# KiCad board IotKnob.kicad_pcb (continued)
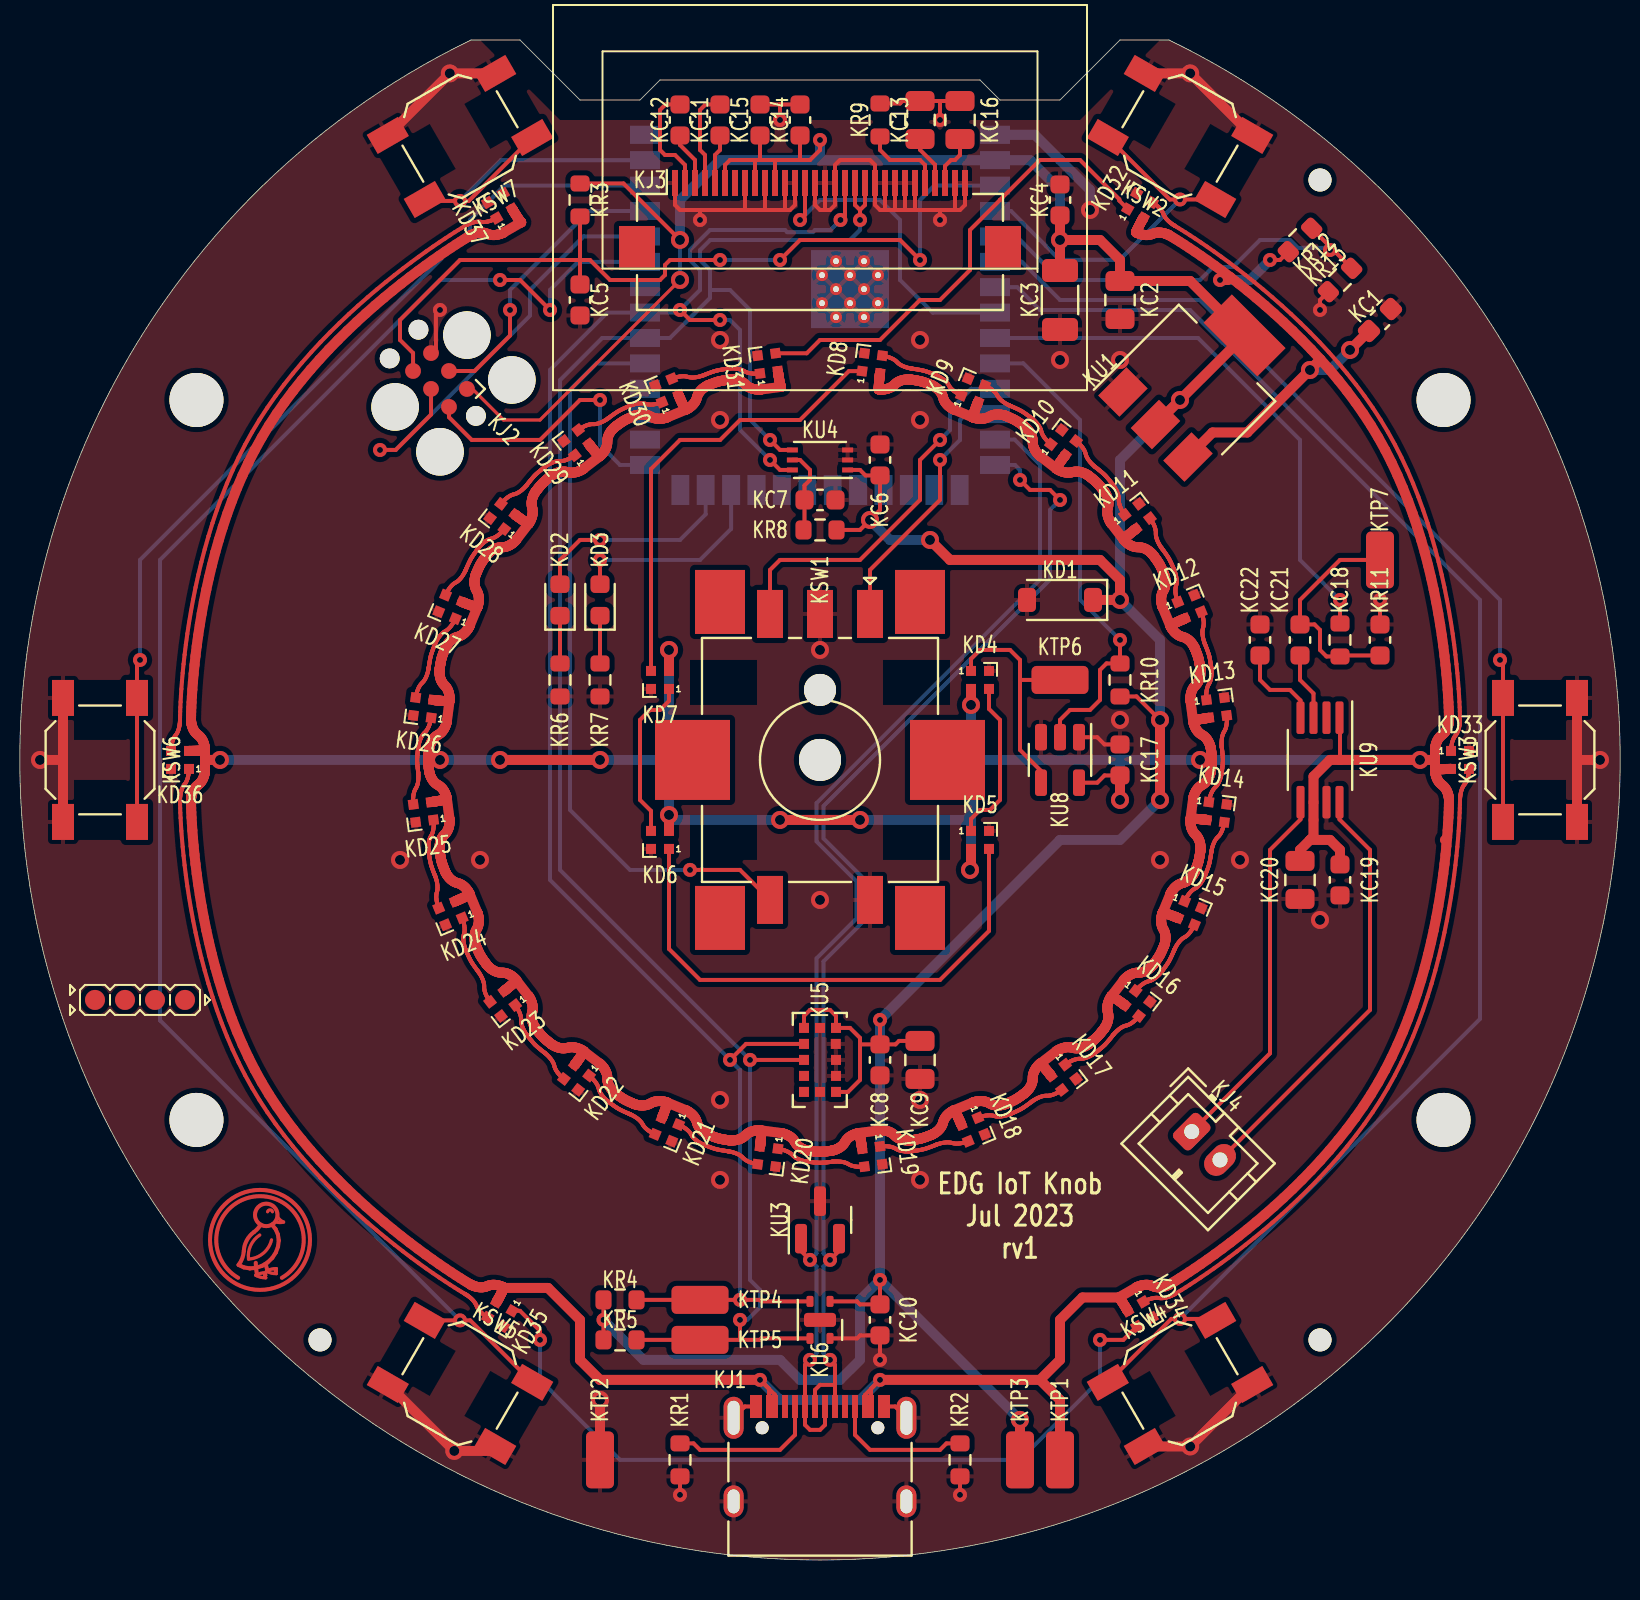
[diagram p0: board, top side]
## Routing (per net, layer and track width the routed paths; a pad name or vN(x,y) marks a point on that pad's centre or on a via; arc(x,y) is an arc through that point) (continued)
23.87,22.3 23.84,22.28 23.82,22.25 23.8,22.23 23.77,22.2 23.75,22.17 23.72,22.14 23.7,22.11 23.68,22.07 23.66,22.04 23.64,22 23.63,21.96 23.62,21.92 23.6,21.88 23.59,21.84 23.58,21.8 23.56,21.76 23.55,21.73 23.53,21.69 23.51,21.66 23.48,21.62 23.46,21.59 23.44,21.56 23.41,21.54 23.39,21.51 23.36,21.49 23.34,21.46 23.31,21.44 23.26,21.4 23.24,21.38 23.19,21.35 23.15,21.32 23.13,21.31 23.11,21.3 23.09,21.29 23.07,21.28 23.05,21.27 23.03,21.26 23.02,21.26 23,21.25 22.97,21.24 22.93,21.23 22.92,21.22 22.88,21.2 22.81,21.18 22.79,21.17 22.76,21.16 22.74,21.15 22.72,21.15 22.69,21.14 22.67,21.13 22.65,21.12 22.62,21.11 22.58,21.1 22.54,21.09 22.52,21.08 22.48,21.07 22.46,21.07 22.44,21.06 22.42,21.06 22.37,21.05 22.34,21.04 22.32,21.04 22.3,21.03 22.27,21.03 22.2,21.02 22.18,21.01 22.15,21.01 22.13,21.01 22.11,21 22.09,21 22.07,21 22.06,21 22.01,20.99 21.98,20.98 21.95,20.98 21.92,20.98 21.9,20.98 21.88,20.98 21.83,20.98 21.81,20.98 21.75,20.98 21.72,20.99 21.69,20.99 21.62,21 21.59,21.01 21.56,21.02 21.52,21.03 21.48,21.04 21.45,21.05 21.41,21.07 21.38,21.09 21.34,21.11 21.31,21.13 21.28,21.15 21.24,21.18 21.21,21.2 21.15,21.26 21.12,21.29 21.09,21.32 21.05,21.34 21.02,21.36 20.99,21.38 20.95,21.4 20.92,21.41 20.88,21.43 20.84,21.44 20.81,21.45 20.78,21.46 20.71,21.47 20.68,21.48 20.64,21.48 20.61,21.48 20.56,21.49 20.53,21.49 20.47,21.49 20.42,21.48 20.39,21.48 19.4,21.35 ; 24.16,22.49 24.17,22.49 24.18,22.47 24.19,22.46 24.21,22.43 24.22,22.4 24.23,22.39 24.24,22.37 24.26,22.34 24.26,22.32 24.28,22.28 24.3,22.26 24.31,22.23 24.32,22.21 24.33,22.19 24.34,22.16 24.35,22.14 24.37,22.11 24.38,22.09 24.39,22.07 24.41,22.02 24.42,22 24.42,21.98 24.43,21.96 24.45,21.92 24.47,21.89 24.48,21.84 24.5,21.82 24.5,21.8 24.51,21.78 KD18.2 ; KD14.2 36.75,37.01 36.72,37.01 36.7,37.02 36.68,37.02 36.63,37.03 36.61,37.03 36.55,37.03 36.52,37.04 36.48,37.04 36.45,37.04 36.4,37.05 36.38,37.05 36.22,37.06 36.17,37.07 36.15,37.07 36.13,37.07 36.1,37.07 36.07,37.07 36.06,37.07 36.03,37.07 36.01,37.07 35.99,37.07 35.98,37.06 35.98,37.06 ; 48.2,39.51 48.21,39.51 48.24,39.52 48.26,39.52 48.27,39.52 48.29,39.53 48.31,39.53 48.32,39.53 48.34,39.53 48.37,39.53 48.39,39.53 48.44,39.54 48.47,39.54 48.49,39.54 48.52,39.54 48.55,39.54 48.73,39.55 48.75,39.55 48.77,39.55 48.79,39.55 48.81,39.55 48.83,39.55 48.85,39.55 48.87,39.56 48.92,39.56 48.94,39.56 KD33.2 ; 48.2,39.51 48.2,40.01 ; -0.44,47.9 -0.41,47.89 -0.37,47.87 -0.34,47.86 -0.32,47.86 -0.29,47.84 -0.27,47.83 -0.25,47.83 -0.21,47.81 -0.18,47.8 -0.16,47.79 -0.14,47.79 -0.07,47.76 -0.04,47.75 -0.02,47.74 0.06,47.72 0.08,47.71 0.15,47.69 0.17,47.68 0.18,47.67 0.23,47.66 0.26,47.65 0.28,47.65 0.3,47.64 0.32,47.64 0.32,47.64 ; KD8.2 20.44,59.3 20.44,59.28 20.44,59.25 20.44,59.24 20.43,59.19 20.43,59.17 20.42,59.1 20.42,59.08 20.42,59.03 20.41,59.01 20.41,58.96 20.41,58.93 20.39,58.77 20.39,58.73 20.39,58.71 20.39,58.69 20.39,58.65 20.39,58.62 20.39,58.61 20.39,58.59 20.39,58.57 20.39,58.54 20.39,58.53 20.42,58.53 20.47,58.53 20.53,58.53 20.56,58.53 20.61,58.53 20.64,58.53 20.68,58.54 20.71,58.54 20.78,58.56 20.81,58.57 20.84,58.58 20.88,58.59 20.92,58.6 20.95,58.62 20.99,58.63 21.02,58.65 21.05,58.67 21.09,58.7 21.12,58.72 21.15,58.75 21.21,58.81 21.24,58.84 21.28,58.86 21.31,58.89 21.34,58.91 21.38,58.93 21.41,58.94 21.45,58.96 21.48,58.97 21.52,58.98 21.56,58.99 21.59,59 21.62,59.01 21.69,59.02 21.72,59.03 21.75,59.03 21.81,59.03 21.83,59.03 21.88,59.03 21.9,59.03 21.92,59.03 21.96,59.03 21.97,59.03 22.04,59.02 22.06,59.02 22.07,59.01 22.09,59.01 22.11,59.01 22.13,59.01 22.15,59 22.18,59 22.2,59 22.27,58.98 22.3,58.98 22.32,58.97 22.34,58.97 22.37,58.97 22.42,58.96 22.44,58.95 22.46,58.95 22.52,58.93 22.56,58.92 22.58,58.91 22.62,58.9 22.65,58.89 22.67,58.88 22.69,58.88 22.72,58.87 22.74,58.86 22.76,58.85 22.79,58.84 22.81,58.83 22.85,58.82 22.92,58.79 22.93,58.79 22.98,58.77 23.01,58.76 23.02,58.75 23.04,58.74 23.06,58.74 23.07,58.73 23.09,58.72 23.11,58.71 23.13,58.7 23.15,58.69 23.19,58.66 23.24,58.63 23.26,58.61 23.31,58.57 23.34,58.55 23.36,58.53 23.39,58.5 23.41,58.48 23.44,58.45 23.46,58.42 23.48,58.39 23.51,58.36 23.53,58.32 23.55,58.29 23.56,58.25 23.58,58.21 23.59,58.17 23.6,58.13 23.62,58.09 23.63,58.05 23.64,58.01 23.66,57.97 23.68,57.94 23.7,57.91 23.72,57.87 23.75,57.84 23.77,57.81 23.8,57.79 23.82,57.76 23.84,57.73 23.87,57.71 23.9,57.69 23.92,57.67 23.95,57.65 23.97,57.63 24.02,57.6 24.06,57.57 24.08,57.56 24.1,57.55 24.12,57.54 24.14,57.53 24.16,57.52 24.16,57.52 25.09,57.14 ; -2.14,40.01 v1(-1.55,40.01) ; 34.96,46.72 34.97,46.73 34.99,46.74 35,46.75 35.03,46.77 35.05,46.78 35.07,46.79 35.08,46.79 35.12,46.81 35.13,46.82 35.18,46.84 35.2,46.85 35.22,46.86 35.25,46.88 35.27,46.89 35.3,46.9 35.32,46.91 35.34,46.92 35.37,46.93 35.39,46.94 35.43,46.96 35.45,46.97 35.47,46.98 35.49,46.99 35.53,47.01 35.57,47.02 35.61,47.04 35.64,47.05 35.66,47.06 35.68,47.07 KD12.2 ; 34.96,46.72 34.97,46.7 34.99,46.67 35,46.66 35.01,46.64 35.02,46.62 35.04,46.58 35.07,46.53 35.09,46.5 35.11,46.48 35.13,46.45 35.15,46.43 35.18,46.4 35.2,46.38 35.23,46.35 35.26,46.33 35.29,46.3 35.32,46.28 35.35,46.26 35.38,46.24 35.42,46.22 35.45,46.2 35.49,46.19 35.53,46.17 35.57,46.16 35.62,46.15 35.66,46.14 35.69,46.12 35.73,46.1 35.77,46.08 35.8,46.06 35.83,46.04 35.86,46.02 35.89,46 35.92,45.97 35.95,45.95 35.97,45.92 36,45.89 36.02,45.87 36.06,45.82 36.08,45.79 36.11,45.75 36.13,45.7 36.14,45.68 36.15,45.67 36.16,45.65 36.17,45.62 36.19,45.6 36.19,45.59 36.2,45.58 36.2,45.55 36.22,45.52 36.23,45.49 36.24,45.47 36.25,45.43 36.28,45.37 36.29,45.34 36.29,45.32 36.3,45.3 36.31,45.27 36.32,45.25 36.33,45.23 36.34,45.2 36.34,45.18 36.36,45.14 36.37,45.1 36.38,45.08 36.39,45.04 36.39,45.02 36.39,44.99 36.4,44.97 36.41,44.92 36.41,44.9 36.42,44.88 36.42,44.85 36.43,44.83 36.44,44.76 36.44,44.73 36.45,44.71 36.45,44.69 36.45,44.67 36.46,44.65 36.46,44.63 36.46,44.61 36.47,44.57 36.47,44.53 36.48,44.5 36.48,44.47 36.48,44.46 36.48,44.44 36.48,44.39 36.48,44.36 36.47,44.31 36.47,44.28 36.47,44.25 36.45,44.18 36.45,44.15 36.44,44.11 36.43,44.08 36.42,44.04 36.4,44.01 36.39,43.97 36.37,43.94 36.35,43.9 36.33,43.87 36.31,43.83 36.28,43.8 36.25,43.77 36.19,43.71 36.17,43.68 36.14,43.64 36.12,43.61 36.1,43.58 36.08,43.54 36.06,43.51 36.05,43.47 36.03,43.44 36.02,43.4 36.01,43.37 36,43.33 35.99,43.26 35.98,43.23 35.98,43.2 35.97,43.17 35.97,43.11 35.97,43.09 35.97,43.02 35.97,42.97 35.97,42.95 36.11,41.96 ; 34.96,46.72 34.58,47.64 34.58,47.66 34.57,47.67 34.57,47.68 34.56,47.69 34.56,47.71 34.55,47.73 34.55,47.75 34.53,47.8 34.53,47.83 34.52,47.89 34.51,47.95 34.51,48.02 34.51,48.06 34.51,48.09 34.51,48.13 34.51,48.17 34.52,48.2 34.53,48.24 34.54,48.28 34.55,48.32 34.56,48.36 34.58,48.4 34.6,48.43 34.64,48.51 34.66,48.55 34.67,48.58 34.69,48.62 34.7,48.66 34.71,48.7 34.72,48.74 34.72,48.77 34.73,48.81 34.73,48.85 34.73,48.92 34.73,48.96 34.72,49.02 34.72,49.05 34.71,49.08 34.71,49.11 34.7,49.14 34.7,49.17 34.68,49.21 34.67,49.25 34.66,49.27 34.66,49.29 34.65,49.31 34.63,49.36 34.61,49.39 34.61,49.41 34.6,49.43 34.59,49.45 34.58,49.47 34.57,49.49 34.56,49.51 34.54,49.55 34.53,49.57 34.51,49.62 34.5,49.64 34.48,49.69 34.47,49.71 34.46,49.73 34.45,49.75 34.44,49.77 34.43,49.79 34.41,49.82 34.4,49.84 34.39,49.86 34.37,49.88 34.36,49.9 34.35,49.92 34.31,49.98 34.29,50 34.25,50.06 34.22,50.09 34.21,50.11 34.18,50.15 34.17,50.16 34.15,50.19 34.13,50.22 34.12,50.23 34.12,50.24 34.08,50.28 34.07,50.29 34.06,50.3 34.05,50.31 34,50.36 33.98,50.38 33.94,50.42 33.92,50.44 33.89,50.46 33.87,50.47 33.84,50.49 33.81,50.51 33.78,50.53 33.75,50.55 33.71,50.56 33.68,50.58 33.64,50.59 33.61,50.61 33.57,50.62 33.53,50.63 33.49,50.63 33.45,50.64 33.41,50.64 33.36,50.64 33.32,50.64 33.28,50.65 33.24,50.65 33.2,50.66 33.16,50.67 33.12,50.68 33.09,50.69 33.05,50.7 33.01,50.72 32.98,50.74 32.95,50.75 32.92,50.77 32.89,50.79 32.86,50.81 32.84,50.83 32.81,50.85 32.79,50.87 32.74,50.9 32.72,50.92 32.69,50.96 32.64,51.01 32.63,51.02 32.63,51.02 ; 15.34,59.44 15.35,59.42 15.35,59.41 15.36,59.36 15.36,59.34 15.36,59.32 15.37,59.26 15.37,59.24 15.38,59.22 15.38,59.2 15.39,59.13 15.4,59.1 15.4,59.08 15.41,59.05 15.41,59.03 15.42,59 15.43,58.92 15.44,58.87 15.45,58.85 15.45,58.81 15.46,58.78 15.47,58.74 15.48,58.71 15.49,58.68 15.5,58.66 14.51,58.53 14.45,58.53 14.44,58.53 14.37,58.53 14.34,58.53 14.29,58.53 14.26,58.53 14.22,58.54 14.19,58.54 14.12,58.56 14.09,58.57 14.06,58.58 14.02,58.59 13.98,58.6 13.95,58.62 13.91,58.63 13.88,58.65 13.85,58.67 13.81,58.7 13.78,58.72 13.75,58.75 13.69,58.81 13.66,58.84 13.62,58.86 13.59,58.89 13.56,58.91 13.52,58.93 13.49,58.94 13.45,58.96 13.42,58.97 13.38,58.98 13.34,58.99 13.31,59 13.28,59.01 13.21,59.02 13.18,59.03 13.15,59.03 13.09,59.03 13.07,59.03 13.02,59.03 13,59.03 12.98,59.03 12.94,59.03 12.93,59.03 12.86,59.02 12.84,59.02 12.83,59.01 12.81,59.01 12.79,59.01 12.77,59.01 12.75,59 12.72,59 12.7,59 12.63,58.98 12.61,58.98 12.58,58.97 12.56,58.97 12.53,58.97 12.48,58.96 12.46,58.95 12.44,58.95 12.38,58.93 12.34,58.92 12.32,58.91 12.28,58.9 12.25,58.89 12.23,58.88 12.21,58.88 12.18,58.87 12.16,58.86 12.14,58.85 12.11,58.84 12.09,58.83 12.05,58.82 11.98,58.79 11.97,58.79 11.92,58.77 11.89,58.76 11.88,58.75 11.86,58.74 11.84,58.74 11.83,58.73 11.81,58.72 11.79,58.71 11.77,58.7 11.75,58.69 11.71,58.66 11.66,58.63 11.64,58.61 11.59,58.57 11.56,58.55 11.54,58.53 11.51,58.5 11.49,58.48 11.46,58.45 11.44,58.42 11.42,58.39 11.39,58.36 11.37,58.32 11.35,58.29 11.34,58.25 11.32,58.21 11.31,58.17 11.3,58.13 11.28,58.09 11.27,58.05 11.26,58.01 11.24,57.97 11.22,57.94 11.2,57.91 11.18,57.87 11.15,57.84 11.13,57.81 11.11,57.79 11.08,57.76 11.06,57.73 11.03,57.71 11,57.69 10.98,57.67 10.95,57.65 10.93,57.63 10.88,57.6 10.84,57.57 10.82,57.56 10.8,57.55 10.78,57.54 10.76,57.53 10.74,57.52 10.74,57.52 ; 34.58,32.37 34.58,32.36 34.57,32.35 34.57,32.33 34.56,32.32 34.56,32.3 34.55,32.28 34.55,32.26 34.53,32.21 34.53,32.18 34.52,32.13 34.51,32.06 34.51,31.99 34.51,31.96 34.51,31.92 34.51,31.88 34.51,31.85 34.52,31.81 34.53,31.77 34.54,31.73 34.55,31.69 34.56,31.66 34.58,31.62 34.6,31.58 34.64,31.51 34.66,31.47 34.67,31.43 34.69,31.39 34.7,31.35 34.71,31.31 34.72,31.28 34.72,31.24 34.73,31.2 34.73,31.16 34.73,31.09 34.73,31.06 34.72,30.99 34.72,30.96 34.71,30.93 34.71,30.9 34.7,30.87 34.7,30.85 34.68,30.8 34.67,30.77 34.66,30.74 34.66,30.72 34.65,30.7 34.63,30.65 34.61,30.62 34.61,30.6 34.6,30.59 34.59,30.57 34.58,30.55 34.57,30.53 34.56,30.51 34.54,30.46 34.53,30.44 34.51,30.39 34.5,30.37 34.48,30.33 34.47,30.31 34.46,30.29 34.45,30.27 34.44,30.25 34.43,30.23 34.41,30.19 34.4,30.18 34.39,30.16 34.37,30.14 34.36,30.12 34.35,30.1 34.31,30.04 34.29,30.02 34.25,29.96 34.22,29.92 34.21,29.9 34.18,29.87 34.17,29.85 34.15,29.82 34.13,29.79 34.12,29.78 34.12,29.77 34.08,29.73 34.07,29.72 34.06,29.71 34.05,29.7 34,29.65 33.98,29.63 33.94,29.6 33.92,29.58 33.89,29.56 33.87,29.54 33.84,29.52 33.81,29.5 33.78,29.48 33.75,29.47 33.71,29.45 33.68,29.43 33.64,29.42 33.61,29.41 33.57,29.4 33.53,29.39 33.49,29.38 33.45,29.37 33.41,29.37 33.36,29.37 33.32,29.37 33.28,29.37 33.24,29.36 33.2,29.36 33.16,29.35 33.12,29.34 33.09,29.32 33.05,29.31 33.01,29.29 32.98,29.28 32.95,29.26 32.92,29.24 32.89,29.22 32.86,29.2 32.84,29.18 32.81,29.16 32.79,29.15 32.74,29.11 32.72,29.09 32.69,29.06 32.64,29.01 32.63,28.99 32.63,28.99 32.02,28.2 ; 34.58,32.37 34.96,33.29 34.97,33.32 34.99,33.34 35,33.36 35.01,33.38 35.02,33.39 35.04,33.44 35.07,33.48 35.09,33.51 35.11,33.53 35.13,33.56 35.15,33.59 35.18,33.61 35.2,33.64 35.23,33.66 35.26,33.69 35.29,33.71 35.32,33.73 35.35,33.75 35.38,33.78 35.42,33.79 35.45,33.81 35.49,33.83 35.53,33.84 35.57,33.85 35.62,33.86 35.66,33.88 35.69,33.89 35.73,33.91 35.77,33.93 35.8,33.95 35.83,33.97 35.86,33.99 35.89,34.02 35.92,34.04 35.95,34.07 35.97,34.09 36,34.12 36.02,34.14 36.06,34.19 36.08,34.22 36.11,34.27 36.13,34.31 36.14,34.33 36.15,34.35 36.16,34.36 36.17,34.39 36.19,34.41 36.19,34.43 36.2,34.44 36.2,34.46 36.22,34.49 36.23,34.52 36.24,34.54 36.25,34.58 36.28,34.65 36.29,34.67 36.29,34.69 36.3,34.72 36.31,34.74 36.32,34.76 36.33,34.79 36.34,34.81 36.34,34.83 36.36,34.88 36.37,34.92 36.38,34.94 36.39,34.98 36.39,35 36.39,35.02 36.4,35.04 36.41,35.09 36.41,35.11 36.42,35.14 36.42,35.16 36.43,35.19 36.44,35.26 36.44,35.28 36.45,35.3 36.45,35.33 36.45,35.35 36.46,35.37 36.46,35.38 36.46,35.4 36.47,35.45 36.47,35.48 36.48,35.51 36.48,35.54 36.48,35.56 36.48,35.58 36.48,35.62 36.48,35.65 36.47,35.71 36.47,35.74 36.47,35.77 36.45,35.83 36.45,35.87 36.44,35.9 36.43,35.94 36.42,35.97 36.4,36.01 36.39,36.04 36.37,36.08 36.35,36.11 36.33,36.15 36.31,36.18 36.28,36.21 36.25,36.24 36.19,36.3 36.17,36.34 36.14,36.37 36.12,36.4 36.1,36.44 36.08,36.47 36.06,36.51 36.05,36.54 36.03,36.58 36.02,36.61 36.01,36.65 36,36.68 35.99,36.75 35.98,36.78 35.98,36.81 35.97,36.84 35.97,36.9 35.97,36.93 35.97,36.99 35.97,37.04 35.97,37.06 ; 34.58,32.37 34.6,32.37 34.62,32.37 34.64,32.36 34.7,32.34 34.72,32.34 34.73,32.33 34.75,32.33 34.82,32.31 34.84,32.3 34.92,32.27 34.94,32.26 35.02,32.24 35.04,32.23 35.06,32.22 35.08,32.21 35.13,32.19 35.15,32.19 35.17,32.18 35.19,32.17 35.22,32.16 35.24,32.15 35.27,32.14 35.3,32.12 35.33,32.11 35.34,32.11 ; 2.27,28.99 2.26,28.97 2.25,28.95 2.23,28.94 2.22,28.93 2.21,28.92 2.19,28.9 2.18,28.89 2.16,28.87 2.15,28.86 2.13,28.85 2.12,28.83 2.1,28.82 2.06,28.78 2.04,28.76 2.02,28.75 2,28.73 1.98,28.71 1.9,28.65 1.88,28.63 1.86,28.62 1.84,28.6 1.8,28.56 1.77,28.54 1.75,28.53 1.74,28.52 1.71,28.49 1.69,28.48 KD23.2 ; 2.27,28.99 2.88,28.2 2.9,28.16 2.92,28.14 2.93,28.12 2.95,28.08 2.97,28.06 2.98,28.03 2.99,28 3,27.98 3.01,27.95 3.03,27.92 3.04,27.88 3.05,27.85 3.07,27.78 3.07,27.75 3.08,27.71 3.08,27.67 3.09,27.63 3.09,27.59 3.09,27.55 3.08,27.51 3.08,27.47 3.07,27.43 3.05,27.35 3.04,27.3 3.03,27.26 3.03,27.22 3.03,27.18 3.03,27.14 3.03,27.11 3.04,27.07 3.04,27.03 3.05,26.99 3.06,26.96 3.07,26.92 3.08,26.89 3.09,26.86 3.1,26.83 3.11,26.8 3.13,26.77 3.14,26.74 3.15,26.72 3.16,26.7 3.19,26.66 3.21,26.62 3.23,26.59 3.26,26.55 3.27,26.54 3.31,26.48 3.34,26.45 3.35,26.44 3.39,26.38 3.41,26.36 3.47,26.29 3.52,26.23 3.54,26.21 3.55,26.2 3.6,26.15 3.64,26.11 3.66,26.09 3.68,26.08 3.73,26.03 3.81,25.97 3.83,25.95 3.88,25.91 3.9,25.89 3.94,25.86 3.97,25.83 3.98,25.83 4.01,25.8 4.03,25.78 4.05,25.77 4.07,25.76 4.1,25.74 4.14,25.72 4.16,25.71 4.19,25.7 4.21,25.68 4.24,25.67 4.27,25.66 4.3,25.65 4.33,25.63 4.37,25.62 4.4,25.61 4.44,25.61 4.47,25.6 4.51,25.59 4.55,25.59 4.59,25.59 4.63,25.59 4.67,25.59 4.71,25.59 4.75,25.6 4.79,25.6 4.87,25.63 4.91,25.63 4.95,25.64 5,25.64 5.03,25.64 5.08,25.64 5.11,25.64 5.15,25.64 5.19,25.63 5.23,25.62 5.3,25.6 5.33,25.59 5.36,25.58 5.39,25.57 5.42,25.56 5.45,25.55 5.47,25.53 5.5,25.52 5.52,25.51 5.56,25.49 5.58,25.48 5.61,25.46 5.64,25.44 ; v1(1.45,40.01) v1(6.45,40.01) ; 10.74,57.52 10.73,57.53 10.72,57.54 10.71,57.55 10.69,57.59 10.68,57.61 10.67,57.62 10.66,57.64 10.64,57.67 10.64,57.69 10.62,57.73 10.6,57.76 10.59,57.78 10.58,57.8 10.57,57.83 10.56,57.85 10.55,57.88 10.53,57.9 10.53,57.92 10.51,57.94 10.49,57.99 10.48,58.01 10.48,58.03 10.47,58.05 10.45,58.09 10.43,58.12 10.42,58.17 10.4,58.19 10.4,58.21 10.39,58.23 KD30.2 ; 10.74,57.52 9.81,57.14 9.8,57.13 9.79,57.13 9.78,57.12 9.76,57.12 9.75,57.11 9.73,57.11 9.7,57.1 9.66,57.09 9.63,57.09 9.57,57.08 9.51,57.07 9.44,57.06 9.4,57.06 9.37,57.06 9.33,57.07 9.29,57.07 9.25,57.08 9.21,57.08 9.17,57.09 9.14,57.1 9.1,57.12 9.06,57.13 9.02,57.15 8.95,57.2 8.91,57.21 8.87,57.23 8.84,57.24 8.8,57.26 8.76,57.26 8.72,57.27 8.68,57.28 8.64,57.28 8.61,57.28 8.53,57.28 8.5,57.28 8.43,57.28 8.4,57.27 8.37,57.27 8.34,57.26 8.32,57.26 8.29,57.25 8.25,57.24 8.21,57.23 8.18,57.22 8.17,57.21 8.14,57.2 8.1,57.18 8.07,57.17 8.05,57.16 8.03,57.16 8.01,57.15 7.99,57.14 7.97,57.13 7.95,57.12 7.91,57.1 7.88,57.09 7.84,57.07 7.81,57.06 7.77,57.04 7.75,57.03 7.73,57.01 7.71,57 7.69,56.99 7.67,56.98 7.64,56.96 7.62,56.95 7.6,56.94 7.58,56.93 7.56,56.92 7.54,56.9 7.48,56.86 7.46,56.85 7.4,56.81 7.36,56.78 7.34,56.76 7.31,56.74 7.29,56.73 7.26,56.71 7.24,56.69 7.23,56.68 7.22,56.67 7.18,56.64 7.17,56.63 7.16,56.62 7.14,56.61 7.09,56.56 7.08,56.54 7.04,56.5 7.02,56.48 7,56.45 6.98,56.42 6.96,56.4 6.94,56.37 6.93,56.34 6.91,56.3 6.89,56.27 6.88,56.24 6.86,56.2 6.85,56.16 6.84,56.13 6.83,56.09 6.82,56.05 6.82,56.01 6.81,55.96 6.81,55.92 6.81,55.88 6.81,55.84 6.81,55.79 6.8,55.75 6.79,55.72 6.78,55.68 6.77,55.64 6.75,55.61 6.74,55.57 6.72,55.54 6.7,55.51 6.69,55.48 6.67,55.45 6.65,55.42 6.63,55.39 6.61,55.37 6.59,55.34 6.55,55.3 6.53,55.28 6.5,55.25 6.45,55.2 6.43,55.19 6.43,55.19 ; 14.51,21.48 14.51,21.48 14.51,21.47 14.51,21.45 14.51,21.43 14.51,21.41 14.51,21.4 14.51,21.39 14.51,21.36 14.51,21.33 14.51,21.31 14.51,21.28 14.51,21.24 14.5,21.08 14.49,21.05 14.49,21 14.48,20.98 14.48,20.93 14.48,20.91 14.47,20.85 14.47,20.83 14.46,20.78 14.46,20.76 14.46,20.73 14.45,20.7 KD20.2 ; 14.51,21.48 15.5,21.35 15.54,21.35 15.55,21.34 15.59,21.33 15.61,21.33 15.63,21.32 15.66,21.31 15.71,21.29 15.77,21.27 15.8,21.26 15.83,21.24 15.86,21.23 15.89,21.21 15.92,21.19 15.95,21.17 15.98,21.15 16.02,21.12 16.04,21.1 16.07,21.07 16.1,21.04 16.13,21.01 16.15,20.98 16.17,20.94 16.2,20.91 16.22,20.87 16.24,20.83 16.27,20.8 16.29,20.77 16.32,20.74 16.35,20.71 16.38,20.69 16.44,20.64 16.47,20.62 16.5,20.6 16.53,20.59 16.56,20.57 16.59,20.56 16.62,20.54 16.65,20.53 16.71,20.51 16.76,20.49 16.78,20.49 16.8,20.48 16.84,20.47 16.87,20.47 16.88,20.46 16.89,20.46 16.91,20.46 16.93,20.46 16.95,20.46 16.98,20.45 17.03,20.45 17.05,20.44 17.1,20.44 17.12,20.44 17.17,20.43 17.19,20.43 17.29,20.42 17.32,20.42 17.34,20.42 17.41,20.41 17.49,20.41 17.56,20.42 17.58,20.42 17.61,20.42 17.71,20.43 17.73,20.43 17.78,20.44 17.8,20.44 17.85,20.44 17.87,20.45 17.92,20.45 17.95,20.46 17.97,20.46 18,20.46 18.01,20.46 18.02,20.46 18.03,20.47 18.06,20.47 18.1,20.48 18.12,20.49 18.14,20.49 18.19,20.51 18.25,20.53 18.28,20.54 18.31,20.56 18.34,20.57 18.37,20.59 18.4,20.6 18.43,20.62 18.46,20.64 18.52,20.69 18.55,20.71 18.58,20.74 18.61,20.77 18.63,20.8 18.66,20.83 18.68,20.87 18.7,20.91 18.73,20.94 18.75,20.98 18.77,21.01 18.8,21.04 18.83,21.07 18.86,21.1 18.89,21.12 18.92,21.15 18.95,21.17 18.98,21.19 19.01,21.21 19.04,21.23 19.07,21.24 19.1,21.26 19.13,21.27 19.19,21.29 19.24,21.31 19.27,21.32 19.29,21.33 19.31,21.33 19.35,21.34 19.36,21.35 19.4,21.35 19.4,21.35 ; 25.09,57.14 25.09,57.16 25.09,57.17 25.1,57.2 25.11,57.26 25.12,57.27 25.12,57.29 25.13,57.31 25.15,57.37 25.16,57.4 25.19,57.47 25.19,57.5 25.22,57.57 25.23,57.59 25.24,57.62 25.25,57.64 25.26,57.68 25.27,57.7 25.28,57.72 25.29,57.74 25.3,57.78 25.31,57.79 25.32,57.82 25.33,57.86 25.34,57.88 25.35,57.9 ; 25.09,57.14 25.1,57.13 25.11,57.13 25.12,57.12 25.14,57.12 25.16,57.11 25.17,57.11 25.2,57.1 25.25,57.09 25.27,57.09 25.33,57.08 25.39,57.07 25.46,57.06 25.5,57.06 25.53,57.06 25.57,57.07 25.61,57.07 25.65,57.08 25.69,57.08 25.73,57.09 25.76,57.1 25.8,57.12 25.84,57.13 25.88,57.15 25.95,57.2 25.99,57.21 26.03,57.23 26.06,57.24 26.1,57.26 26.14,57.26 26.18,57.27 26.22,57.28 26.26,57.28 26.29,57.28 26.37,57.28 26.4,57.28 26.47,57.28 26.5,57.27 26.53,57.27 26.56,57.26 26.58,57.26 26.61,57.25 26.65,57.24 26.69,57.23 26.72,57.22 26.73,57.21 26.76,57.2 26.8,57.18 26.83,57.17 26.85,57.16 26.87,57.16 26.89,57.15 26.91,57.14 26.93,57.13 26.95,57.12 27,57.1 27.02,57.09 27.06,57.07 27.09,57.06 27.13,57.04 27.15,57.03 27.17,57.01 27.19,57 27.21,56.99 27.23,56.98 27.26,56.96 27.28,56.95 27.3,56.94 27.32,56.93 27.34,56.92 27.36,56.9 27.42,56.86 27.44,56.85 27.5,56.81 27.54,56.78 27.56,56.76 27.59,56.74 27.61,56.73 27.64,56.71 27.66,56.69 27.67,56.68 27.68,56.67 27.72,56.64 27.73,56.63 27.74,56.62 27.76,56.61 27.81,56.56 27.82,56.54 27.86,56.5 27.88,56.48 27.9,56.45 27.92,56.42 27.94,56.4 27.96,56.37 27.97,56.34 27.99,56.3 28.01,56.27 28.02,56.24 28.04,56.2 28.05,56.16 28.06,56.13 28.07,56.09 28.08,56.05 28.08,56.01 28.09,55.96 28.09,55.92 28.09,55.88 28.09,55.84 28.09,55.79 28.1,55.75 28.11,55.72 28.12,55.68 28.13,55.64 28.15,55.61 28.16,55.57 28.18,55.54 28.2,55.51 28.22,55.48 28.23,55.45 28.25,55.42 28.27,55.39 28.29,55.37 28.31,55.34 28.35,55.3 28.37,55.28 28.4,55.25 28.45,55.2 28.47,55.19 28.47,55.19 29.26,54.58 ; 35.97,37.06 36.11,38.05 36.11,38.09 36.12,38.11 36.12,38.14 36.13,38.17 36.14,38.19 36.14,38.21 36.16,38.27 36.19,38.33 36.2,38.36 36.21,38.39 36.23,38.42 36.25,38.45 36.27,38.48 36.29,38.51 36.31,38.54 36.33,38.57 36.36,38.6 36.39,38.63 36.41,38.66 36.45,38.68 36.48,38.71 36.51,38.73 36.55,38.75 36.59,38.77 36.62,38.8 36.66,38.82 36.69,38.85 36.72,38.88 36.74,38.9 36.77,38.93 36.81,38.99 36.83,39.03 36.85,39.06 36.87,39.09 36.89,39.12 36.9,39.15 36.92,39.18 36.93,39.21 36.95,39.26 36.96,39.32 36.97,39.34 36.98,39.36 36.98,39.4 36.99,39.43 36.99,39.44 36.99,39.45 37,39.47 37,39.49 37,39.5 37.01,39.53 37.01,39.59 37.01,39.61 37.02,39.66 37.02,39.68 37.03,39.73 37.03,39.75 37.04,39.85 37.04,39.87 37.04,39.9 37.04,39.97 37.04,40.03 ; 6.43,55.19 6.41,55.2 6.4,55.21 6.39,55.22 6.37,55.24 6.36,55.25 6.34,55.27 6.33,55.28 6.32,55.29 6.31,55.31 6.29,55.32 6.28,55.34 6.26,55.36 6.23,55.4 6.21,55.42 6.19,55.44 6.17,55.46 6.16,55.48 6.09,55.56 6.08,55.58 6.06,55.59 6.05,55.61 6.01,55.66 5.98,55.69 5.97,55.7 5.96,55.72 5.94,55.75 5.92,55.77 KD29.2 ; 6.43,55.19 5.64,54.58 5.61,54.56 5.58,54.54 5.56,54.53 5.52,54.5 5.5,54.49 5.47,54.48 5.45,54.47 5.42,54.45 5.39,54.44 5.36,54.43 5.33,54.42 5.3,54.41 5.23,54.39 5.19,54.38 5.15,54.38 5.11,54.37 5.08,54.37 5.03,54.37 5,54.37 4.95,54.37 4.91,54.38 4.87,54.39 4.79,54.41 4.75,54.42 4.71,54.42 4.67,54.43 4.63,54.43 4.59,54.43 4.55,54.42 4.51,54.42 4.47,54.41 4.44,54.41 4.4,54.4 4.37,54.39 4.33,54.38 4.3,54.37 4.27,54.36 4.24,54.34 4.21,54.33 4.19,54.32 4.16,54.31 4.14,54.29 4.1,54.27 4.07,54.25 4.03,54.23 3.99,54.2 3.98,54.19 3.93,54.15 3.9,54.12 3.88,54.11 3.83,54.06 3.81,54.05 3.73,53.98 3.68,53.93 3.66,53.92 3.64,53.9 3.6,53.86 3.55,53.81 3.54,53.8 3.52,53.78 3.47,53.73 3.41,53.65 3.39,53.63 3.35,53.58 3.34,53.56 3.3,53.51 3.28,53.49 3.27,53.48 3.25,53.45 3.23,53.42 3.22,53.4 3.21,53.39 3.19,53.36 3.16,53.32 3.15,53.29 3.14,53.27 3.13,53.24 3.11,53.21 3.1,53.19 3.09,53.15 3.08,53.12 3.07,53.09 3.06,53.06 3.05,53.02 3.04,52.98 3.04,52.95 3.03,52.91 3.03,52.87 3.03,52.83 3.03,52.79 3.03,52.75 3.04,52.71 3.05,52.67 3.07,52.58 3.08,52.54 3.08,52.5 3.09,52.46 3.09,52.42 3.09,52.38 3.08,52.34 3.08,52.31 3.07,52.27 3.07,52.23 3.05,52.16 3.04,52.13 3.03,52.1 3.01,52.07 3,52.04 2.99,52.01 2.98,51.98 2.97,51.96 2.95,51.93 2.93,51.89 2.92,51.88 2.9,51.85 2.88,51.82 ; 1.64,13.6 1.63,13.58 1.62,13.56 1.61,13.54 1.61,13.52 1.6,13.51 1.59,13.5 1.59,13.48 1.58,13.46 1.56,13.42 1.55,13.4 1.54,13.38 1.5,13.31 1.45,13.21 1.44,13.19 1.43,13.17 1.42,13.15 1.41,13.13 1.4,13.11 1.39,13.09 1.38,13.07 1.36,13.04 1.34,13 1.32,12.98 1.31,12.94 1.3,12.93 1.29,12.91 ; 1.64,13.6 3.85,13.6 5.45,12.01 5.45,10.01 6.45,9.01 v2(14.45,9.01) ; v1(9.9,45.51) KD7.2 ; 5.64,25.43 5.64,25.42 5.62,25.39 5.61,25.37 5.6,25.36 5.59,25.34 5.57,25.31 5.56,25.3 5.55,25.28 5.54,25.26 5.53,25.24 5.52,25.22 5.44,25.11 5.41,25.07 5.4,25.05 5.37,25.01 5.34,24.97 5.33,24.95 5.29,24.9 5.28,24.89 5.26,24.86 5.25,24.85 5.24,24.83 5.23,24.82 5.22,24.8 5.21,24.79 KD22.2 ; KTP1.1 29.45,8.01 28.45,9.01 ; KC1.1 v1(43.95,60.51) ; 36.11,41.96 36.11,41.92 36.12,41.91 36.12,41.87 36.13,41.85 36.14,41.82 36.14,41.8 36.16,41.74 36.19,41.69 36.2,41.66 36.21,41.63 36.23,41.6 36.25,41.56 36.27,41.53 36.29,41.5 36.31,41.47 36.33,41.44 36.36,41.41 36.39,41.38 36.41,41.36 36.45,41.33 36.48,41.31 36.51,41.28 36.55,41.26 36.59,41.24 36.62,41.22 36.66,41.19 36.69,41.16 36.72,41.14 36.74,41.11 36.77,41.08 36.81,41.02 36.83,40.99 36.85,40.96 36.87,40.93 36.89,40.89 36.9,40.86 36.92,40.83 36.93,40.8 36.95,40.75 36.96,40.7 36.97,40.67 36.98,40.65 36.98,40.62 36.99,40.59 36.99,40.58 36.99,40.56 37,40.54 37,40.52 37,40.51 37.01,40.48 37.01,40.42 37.01,40.4 37.02,40.36 37.02,40.33 37.03,40.29 37.03,40.26 37.04,40.16 37.04,40.14 37.04,40.12 37.04,40.05 37.04,40.03 ; 36.11,41.96 36.12,41.97 36.14,41.97 36.18,41.99 36.21,41.99 36.24,42 36.27,42.01 36.3,42.01 36.32,42.02 36.37,42.03 36.45,42.04 36.47,42.05 36.5,42.05 36.52,42.05 36.55,42.06 36.62,42.07 36.64,42.08 36.67,42.08 36.69,42.08 36.75,42.09 36.77,42.09 36.78,42.1 36.8,42.1 36.84,42.11 36.85,42.11 36.88,42.11 36.89,42.11 ; 28.45,9.01 v2(20.45,9.01) ; 32.02,28.2 32.03,28.19 32.07,28.18 32.09,28.17 32.09,28.16 32.12,28.15 32.14,28.13 32.16,28.12 32.18,28.11 32.19,28.1 32.21,28.09 32.23,28.07 32.34,28 32.38,27.97 32.41,27.95 32.45,27.93 32.48,27.9 32.5,27.88 32.55,27.85 32.57,27.84 32.6,27.81 32.61,27.8 32.62,27.8 32.64,27.79 32.65,27.77 32.66,27.77 KD16.2 ; 32.02,28.2 32,28.16 31.98,28.14 31.97,28.12 31.95,28.08 31.94,28.06 31.92,28.03 31.91,28 31.9,27.98 31.89,27.95 31.87,27.92 31.86,27.88 31.85,27.85 31.83,27.78 31.83,27.75 31.82,27.71 31.82,27.67 31.81,27.63 31.81,27.59 31.81,27.55 31.82,27.51 31.82,27.47 31.83,27.43 31.85,27.35 31.86,27.3 31.87,27.26 31.87,27.22 31.87,27.18 31.87,27.14 31.87,27.11 31.86,27.07 31.86,27.03 31.85,26.99 31.84,26.96 31.83,26.92 31.82,26.89 31.81,26.86 31.8,26.83 31.79,26.8 31.77,26.77 31.76,26.74 31.75,26.72 31.74,26.7 31.71,26.66 31.69,26.62 31.67,26.59 31.64,26.55 31.63,26.54 31.59,26.48 31.56,26.45 31.55,26.44 31.51,26.38 31.49,26.36 31.43,26.29 31.38,26.23 31.36,26.21 31.35,26.2 31.3,26.15 31.26,26.11 31.24,26.09 31.22,26.08 31.17,26.03 31.09,25.97 31.08,25.95 31.02,25.91 31,25.89 30.96,25.86 30.93,25.83 30.92,25.83 30.89,25.8 30.87,25.78 30.85,25.77 30.83,25.76 30.8,25.74 30.76,25.72 30.74,25.71 30.71,25.7 30.69,25.68 30.66,25.67 30.63,25.66 30.6,25.65 30.57,25.63 30.53,25.62 30.5,25.61 30.46,25.61 30.43,25.6 30.39,25.59 30.35,25.59 30.31,25.59 30.27,25.59 30.23,25.59 30.19,25.59 30.15,25.6 30.11,25.6 30.03,25.63 29.99,25.63 29.95,25.64 29.91,25.64 29.87,25.64 29.83,25.64 29.79,25.64 29.75,25.64 29.71,25.63 29.67,25.62 29.61,25.6 29.57,25.59 29.54,25.58 29.51,25.57 29.48,25.56 29.45,25.55 29.43,25.53 29.4,25.52 29.38,25.51 29.34,25.49 29.32,25.48 29.29,25.46 29.26,25.44 28.47,24.83 ; 37.04,40.03 36.47,40.03 v1(36.45,40.01) ; 48.2,40.01 48.2,40.52 48.2,40.56 48.2,40.58 48.21,40.6 48.21,40.62 48.22,40.67 48.22,40.7 48.23,40.73 48.24,40.79 48.25,40.82 48.26,40.85 48.28,40.88 48.29,40.92 48.3,40.95 48.32,40.98 48.34,41.02 48.36,41.05 48.38,41.08 48.4,41.11 48.43,41.14 48.45,41.17 48.48,41.2 48.52,41.23 48.58,41.28 48.61,41.31 48.64,41.34 48.67,41.37 48.7,41.4 48.72,41.43 48.74,41.46 48.76,41.5 48.78,41.53 48.8,41.56 48.81,41.6 48.82,41.63 48.84,41.66 48.85,41.7 48.86,41.73 48.87,41.79 48.88,41.82 48.88,41.84 48.89,41.89 48.89,41.91 48.9,41.93 48.9,41.98 48.9,42.01 48.9,42.03 48.9,42.11 48.9,42.24 48.89,42.41 48.88,42.63 48.87,42.89 48.86,43.19 48.83,43.53 48.8,43.9 48.77,44.31 48.73,44.75 48.67,45.21 48.61,45.71 48.54,46.23 48.46,46.77 48.36,47.33 48.26,47.91 48.14,48.51 48,49.12 47.85,49.74 47.69,50.38 47.51,51.02 47.31,51.66 47.09,52.31 46.86,52.95 46.6,53.6 46.32,54.24 46.03,54.88 45.71,55.51 45.37,56.12 45,56.73 44.62,57.32 44.22,57.89 43.8,58.45 43.37,59 42.92,59.53 42.47,60.04 ; v1(9.9,37.26) KD6.2 ; 32.63,51.02 32.64,51.04 32.66,51.06 32.67,51.07 32.68,51.09 32.69,51.09 32.71,51.11 32.72,51.13 32.74,51.14 32.75,51.15 32.77,51.17 32.78,51.18 32.8,51.2 32.84,51.23 32.86,51.25 32.88,51.27 32.9,51.28 32.92,51.3 33,51.36 33.02,51.38 33.04,51.39 33.06,51.41 33.1,51.45 33.13,51.47 33.15,51.48 33.16,51.49 33.19,51.52 33.21,51.53 KD11.2 ; 32.63,51.02 32.02,51.82 32,51.85 31.98,51.88 31.97,51.89 31.95,51.93 31.94,51.96 31.92,51.98 31.91,52.01 31.9,52.04 31.89,52.07 31.87,52.1 31.86,52.13 31.85,52.16 31.83,52.23 31.83,52.27 31.82,52.31 31.82,52.34 31.81,52.38 31.81,52.42 31.81,52.46 31.82,52.5 31.82,52.54 31.83,52.58 31.85,52.67 31.86,52.71 31.87,52.75 31.87,52.79 31.87,52.83 31.87,52.87 31.87,52.91 31.86,52.95 31.86,52.98 31.85,53.02 31.84,53.06 31.83,53.09 31.82,53.12 31.81,53.15 31.8,53.19 31.79,53.21 31.77,53.24 31.76,53.27 31.75,53.29 31.74,53.32 31.71,53.36 31.69,53.39 31.67,53.42 31.64,53.46 31.63,53.48 31.59,53.53 31.56,53.56 31.55,53.58 31.51,53.63 31.49,53.65 31.43,53.73 31.38,53.78 31.36,53.8 31.35,53.81 31.3,53.86 31.26,53.9 31.24,53.92 31.22,53.93 31.17,53.98 31.09,54.05 31.08,54.06 31.02,54.11 31,54.12 30.96,54.16 30.93,54.18 30.92,54.19 30.89,54.21 30.87,54.23 30.85,54.24 30.83,54.25 30.8,54.27 30.76,54.29 30.74,54.31 30.71,54.32 30.69,54.33 30.66,54.34 30.63,54.36 30.6,54.37 30.57,54.38 30.53,54.39 30.5,54.4 30.46,54.41 30.43,54.41 30.39,54.42 30.35,54.42 30.31,54.43 30.27,54.43 30.23,54.43 30.19,54.42 30.15,54.42 30.11,54.41 30.03,54.39 29.99,54.38 29.95,54.37 29.91,54.37 29.87,54.37 29.83,54.37 29.79,54.37 29.75,54.38 29.71,54.38 29.67,54.39 29.61,54.41 29.57,54.42 29.54,54.43 29.51,54.44 29.48,54.45 29.45,54.47 29.43,54.48 29.4,54.49 29.38,54.5 29.34,54.53 29.32,54.54 29.29,54.56 29.26,54.58 ; 19.4,21.35 19.41,21.34 19.42,21.31 19.43,21.28 19.44,21.25 19.44,21.22 19.45,21.18 19.45,21.16 19.46,21.14 19.47,21.09 19.48,21.01 19.49,20.99 19.49,20.96 19.5,20.93 19.5,20.91 19.52,20.84 19.52,20.81 19.52,20.79 19.53,20.77 19.53,20.71 19.54,20.69 19.54,20.67 19.54,20.66 19.55,20.62 19.55,20.6 19.56,20.57 19.56,20.57 ; 2.88,51.82 2.27,51.02 2.26,51.01 2.21,50.96 2.18,50.92 2.16,50.9 2.11,50.87 2.09,50.85 2.06,50.83 2.04,50.81 2.01,50.79 1.98,50.77 1.95,50.75 1.92,50.74 1.89,50.72 1.85,50.7 1.81,50.69 1.78,50.68 1.74,50.67 1.7,50.66 1.66,50.65 1.62,50.65 1.58,50.64 1.54,50.64 1.49,50.64 1.45,50.64 1.41,50.63 1.37,50.63 1.33,50.62 1.29,50.61 1.26,50.59 1.22,50.58 1.19,50.56 1.15,50.55 1.12,50.53 1.09,50.51 1.06,50.49 1.03,50.47 1.01,50.46 0.98,50.44 0.96,50.42 0.92,50.38 0.9,50.36 0.85,50.31 0.84,50.3 0.83,50.29 0.82,50.28 0.8,50.25 0.78,50.23 0.75,50.19 0.73,50.16 0.72,50.15 0.69,50.11 0.68,50.09 0.65,50.06 0.61,50 0.59,49.98 0.55,49.92 0.54,49.9 0.53,49.88 0.52,49.86 0.5,49.84 0.47,49.79 0.46,49.77 0.45,49.75 0.44,49.73 0.43,49.71 0.42,49.69 0.4,49.64 0.39,49.62 0.37,49.57 0.35,49.53 0.34,49.51 0.33,49.49 0.32,49.47 0.31,49.45 0.3,49.43 0.29,49.41 0.29,49.39 0.27,49.35 0.25,49.31 0.24,49.27 0.23,49.25 0.22,49.21 0.2,49.17 0.2,49.14 0.19,49.11 0.19,49.08 0.18,49.05 0.18,49.02 0.17,48.96 0.17,48.92 0.17,48.85 0.17,48.81 0.18,48.77 0.18,48.74 0.19,48.7 0.2,48.66 0.21,48.62 0.23,48.58 0.24,48.55 0.26,48.51 0.3,48.43 0.32,48.4 0.34,48.36 0.35,48.32 0.36,48.28 0.37,48.24 0.38,48.2 0.39,48.17 0.39,48.13 0.39,48.09 0.39,48.06 0.39,48.02 0.39,47.95 0.38,47.89 0.37,47.83 0.37,47.8 0.35,47.75 0.35,47.73 0.34,47.71 0.34,47.69 0.33,47.68 0.33,47.67 0.32,47.65 0.32,47.64 ; v1(25,42.76) KD4.2 ; 28.47,24.83 28.49,24.81 28.5,24.8 28.51,24.79 28.53,24.77 28.54,24.77 28.56,24.74 28.57,24.73 28.58,24.72 28.59,24.7 28.61,24.69 28.62,24.67 28.64,24.65 28.67,24.61 28.69,24.59 28.71,24.57 28.73,24.55 28.74,24.53 28.81,24.46 28.82,24.44 28.84,24.42 28.85,24.4 28.89,24.35 28.92,24.32 28.93,24.31 28.94,24.3 28.96,24.26 28.98,24.25 KD17.2 ; 42.47,60.04 38.81,56.38 37.08,56.38 KU1.3 ; 42.47,60.04 42.01,60.53 41.55,61.01 41.09,61.47 40.62,61.91 40.16,62.33 39.7,62.73 39.25,63.12 38.81,63.48 38.38,63.82 37.97,64.14 ; v2(37.45,64.01) 37.83,64.01 37.97,64.14 ; v1(15.45,37.01) v1(19.45,37.01)
  Bottom w0.5: v2(39.95,65.01) 38.95,64.01 v2(37.45,64.01) ; v1(9.9,45.51) 9.9,40.01 ; 9.9,40.01 v1(9.9,37.26) 10.15,37.01 v1(15.45,37.01) ; 9.9,40.01 v1(6.45,40.01) ; 32.45,40.01 25,40.01 ; 32.45,40.01 v1(36.45,40.01) v1(47.45,40.01) ; 32.45,40.01 v1(32.45,38.01) ; 25,40.01 25,37.26 ; 25,40.01 v1(25,42.76) ; v1(19.45,37.01) 24.75,37.01 25,37.26 ; v2(20.45,9.01) 19.45,8.01 15.45,8.01 v2(14.45,9.01) ; 25,37.26 25,34.56 v1(24.95,34.51) ; v1(-12.55,40.01) v1(-1.55,40.01) v1(1.45,40.01) ; v1(41.95,59.5) 42.95,59.5 v1(43.95,60.51)
